# KiCad board mse-68-hd-panel.kicad_pcb (continued)
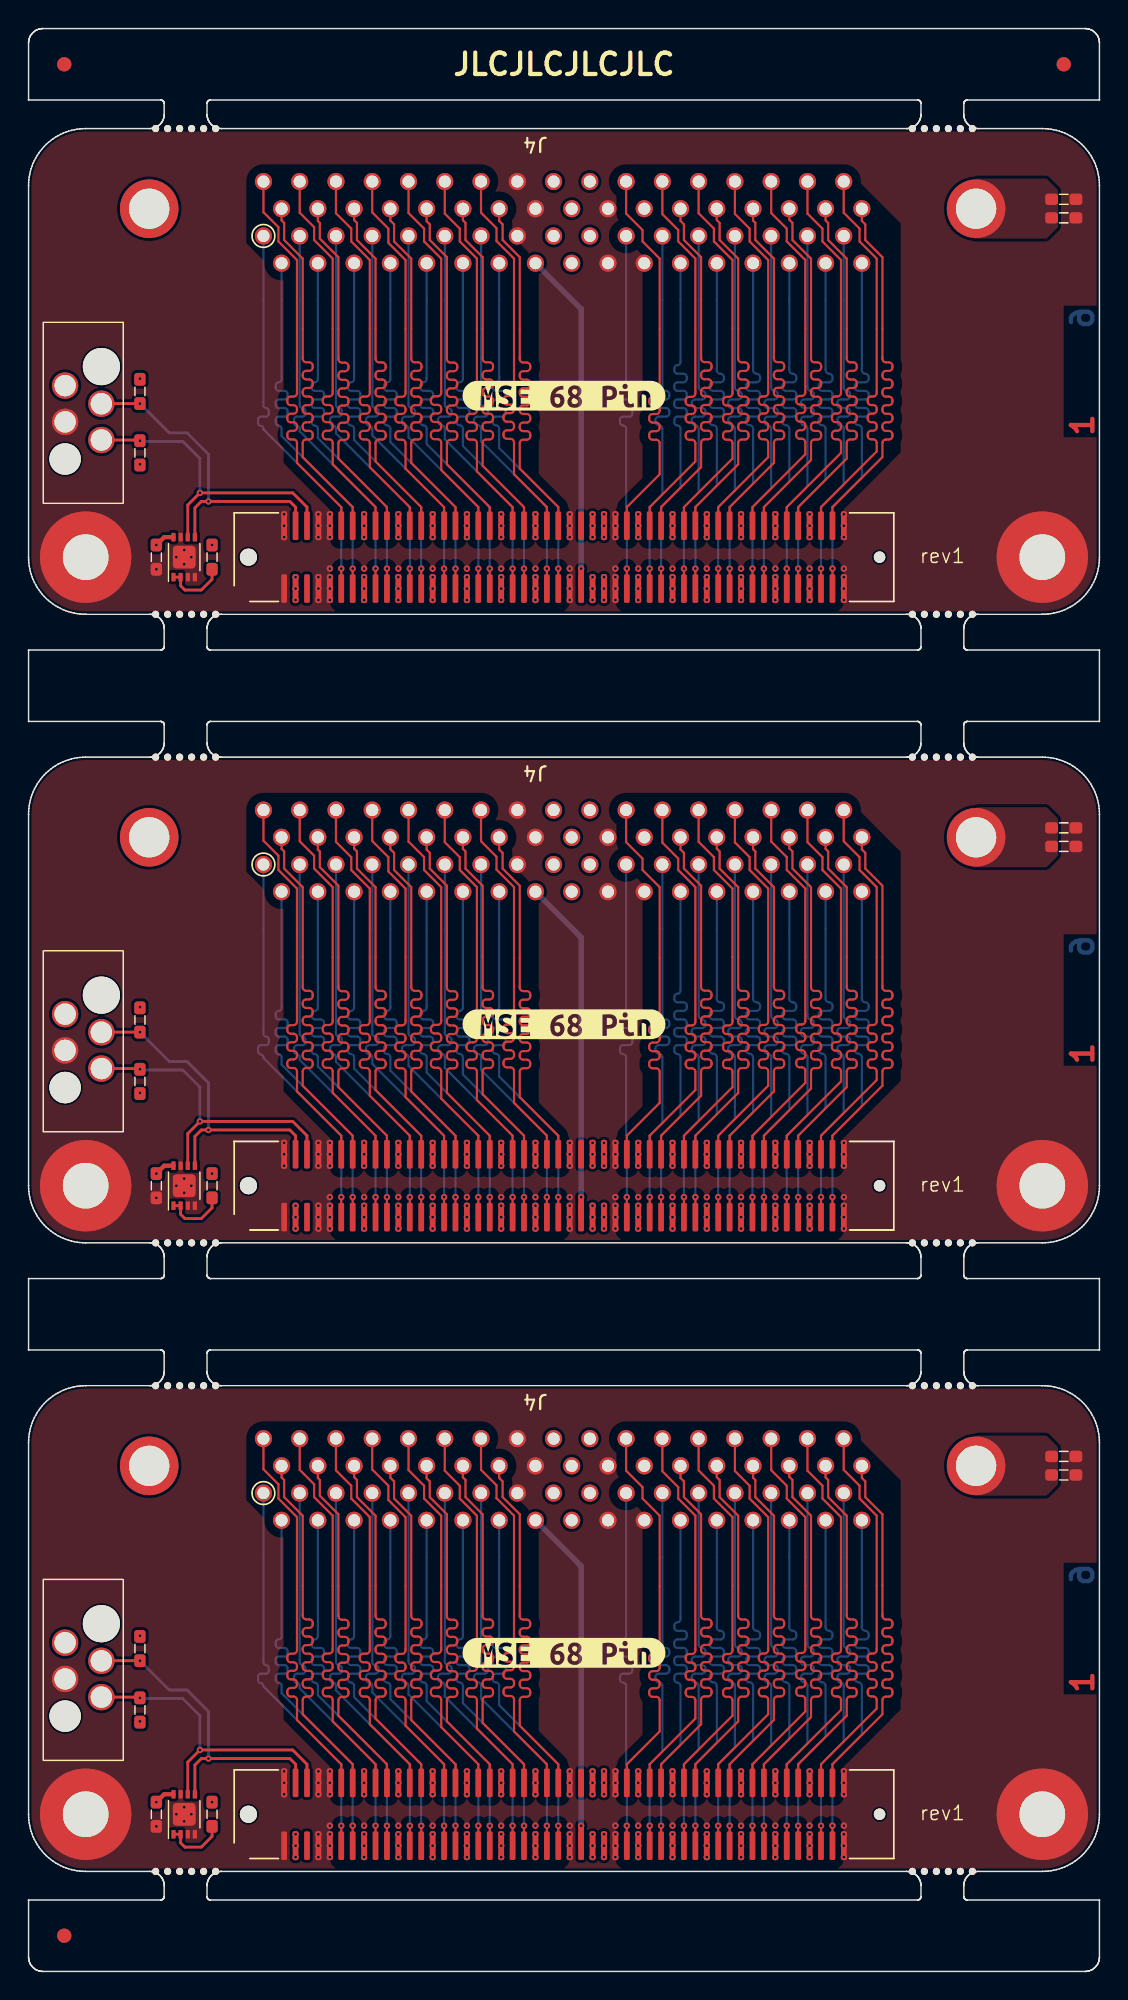
[diagram p0: board, top side]
## Routing (per net, layer and track width the routed paths; a pad name or vN(x,y) marks a point on that pad's centre or on a via; arc(x,y) is an arc through that point) (continued)
Board_2-/CON.C/D+: length 27.9
  Top w0.151: J1.79 v1(49.1,10.2)
  Bottom w0.151: J4#2.28 50.74,24.08 arc(50.81,23.91) 50.98,23.84 50.99,23.84 arc(51.16,23.77) 51.23,23.6 51.23,23.48 arc(51.16,23.31) 50.99,23.24 50.49,23.24 arc(50.32,23.17) 50.25,23 50.25,22.88 arc(50.32,22.71) 50.49,22.64 50.99,22.64 arc(51.16,22.57) 51.23,22.4 51.23,22.28 arc(51.16,22.11) 50.99,22.04 50.49,22.04 arc(50.32,21.97) 50.25,21.8 50.25,21.68 arc(50.32,21.51) 50.49,21.44 50.99,21.44 arc(51.16,21.37) 51.23,21.2 51.23,21.08 arc(51.16,20.91) 50.99,20.84 50.49,20.84 arc(50.32,20.77) 50.25,20.6 50.25,20.48 arc(50.32,20.31) 50.49,20.24 50.5,20.24 arc(50.67,20.17) 50.74,20 50.74,16.14 49.1,14.5 v1(49.1,10.2)
Board_2-/CON.C/D-: length 29.2
  Top w0.151: J1.80 49.1,14.5 52.2,17.6 52.2,19.01 arc(52.27,19.18) 52.44,19.25 52.68,19.25 arc(52.85,19.32) 52.92,19.49 52.92,19.61 arc(52.85,19.78) 52.68,19.85 52.44,19.85 arc(52.27,19.92) 52.2,20.09 52.2,20.21 arc(52.27,20.38) 52.44,20.45 52.68,20.45 arc(52.85,20.52) 52.92,20.69 52.92,20.81 arc(52.85,20.98) 52.68,21.05 52.44,21.05 arc(52.27,21.12) 52.2,21.29 52.2,21.41 arc(52.27,21.58) 52.44,21.65 52.68,21.65 arc(52.85,21.72) 52.92,21.89 52.92,22.01 arc(52.85,22.18) 52.68,22.25 52.44,22.25 arc(52.27,22.32) 52.2,22.49 52.2,22.61 arc(52.27,22.78) 52.44,22.85 52.68,22.85 arc(52.85,22.92) 52.92,23.09 52.92,23.21 arc(52.85,23.38) 52.68,23.45 52.44,23.45 arc(52.27,23.52) 52.2,23.69 52.2,23.81 arc(52.27,23.98) 52.44,24.05 52.68,24.05 arc(52.85,24.12) 52.92,24.29 52.92,24.41 arc(52.85,24.58) 52.68,24.65 52.44,24.65 arc(52.27,24.72) 52.2,24.89 52.2,31.9 50.9,33.2 50.9,34.4 50.74,34.56 J4#2.62
Board_2-/CON.DB0+: length 27.9
  Top w0.151: J1.25 v1(27.5,10.2)
  Bottom w0.151: v1(27.5,10.2) 27.5,14.5 22.8,19.2 22.8,20 arc(22.74,20.15) 22.59,20.22 arc(22.43,20.28) 22.37,20.43 22.37,20.63 arc(22.43,20.78) 22.59,20.84 23.02,20.84 arc(23.17,20.91) 23.24,21.06 23.24,21.22 arc(23.17,21.38) 23.02,21.44 22.58,21.44 arc(22.43,21.51) 22.36,21.66 22.36,21.82 arc(22.43,21.98) 22.58,22.04 23.02,22.04 arc(23.17,22.11) 23.24,22.26 23.24,22.42 arc(23.17,22.58) 23.02,22.64 22.59,22.64 arc(22.43,22.7) 22.37,22.86 22.37,23.03 arc(22.43,23.18) 22.59,23.24 arc(22.74,23.3) 22.8,23.46 J4#2.6
Board_2-/CON.DB0-: length 29.2
  Top w0.151: J1.26 27.5,14.5 24.3,17.7 24.3,19 arc(24.37,19.17) 24.54,19.24 24.77,19.24 arc(24.94,19.31) 25.01,19.48 25.01,19.6 arc(24.94,19.77) 24.77,19.84 24.54,19.84 arc(24.37,19.91) 24.3,20.08 24.3,20.2 arc(24.37,20.37) 24.54,20.44 24.77,20.44 arc(24.94,20.51) 25.01,20.68 25.01,20.8 arc(24.94,20.97) 24.77,21.04 24.54,21.04 arc(24.37,21.11) 24.3,21.28 24.3,21.4 arc(24.37,21.57) 24.54,21.64 24.77,21.64 arc(24.94,21.71) 25.01,21.88 25.01,22 arc(24.94,22.17) 24.77,22.24 24.54,22.24 arc(24.37,22.31) 24.3,22.48 24.3,22.6 arc(24.37,22.77) 24.54,22.84 24.77,22.84 arc(24.94,22.91) 25.01,23.08 25.01,23.2 arc(24.94,23.37) 24.77,23.44 24.54,23.44 arc(24.37,23.51) 24.3,23.68 24.3,23.8 arc(24.37,23.97) 24.54,24.04 24.77,24.04 arc(24.94,24.11) 25.01,24.28 25.01,24.4 arc(24.94,24.57) 24.77,24.64 24.54,24.64 arc(24.37,24.71) 24.3,24.88 24.3,31.9 23,33.2 23,34.4 22.8,34.6 J4#2.40
Board_2-/CON.DB1+: length 27.9
  Top w0.151: J1.29 v1(29.1,10.2)
  Bottom w0.151: J4#2.7 24.07,21.66 arc(24.13,21.51) 24.29,21.44 arc(24.44,21.38) 24.5,21.22 24.5,21.06 arc(24.44,20.91) 24.29,20.84 23.85,20.84 arc(23.7,20.78) 23.64,20.62 23.64,20.44 arc(23.7,20.28) 23.85,20.22 arc(24.01,20.16) 24.07,20 24.07,19.53 29.1,14.5 v1(29.1,10.2)
Board_2-/CON.DB1-: length 29.2
  Top w0.151: J1.30 29.1,14.5 26.4,17.2 26.4,18.99 arc(26.33,19.16) 26.16,19.23 25.93,19.23 arc(25.76,19.3) 25.69,19.47 25.69,19.59 arc(25.76,19.76) 25.93,19.83 26.16,19.83 arc(26.33,19.9) 26.4,20.07 26.4,20.19 arc(26.33,20.36) 26.16,20.43 25.93,20.43 arc(25.76,20.5) 25.69,20.67 25.69,20.79 arc(25.76,20.96) 25.93,21.03 26.16,21.03 arc(26.33,21.1) 26.4,21.27 26.4,21.39 arc(26.33,21.56) 26.16,21.63 25.93,21.63 arc(25.76,21.7) 25.69,21.87 25.69,21.99 arc(25.76,22.16) 25.93,22.23 26.16,22.23 arc(26.33,22.3) 26.4,22.47 26.4,31.8 25.2,33 25.2,34 24.07,35.13 J4#2.41
Board_2-/CON.DB2+: length 27.9
  Top w0.151: J1.31 v1(29.9,10.2)
  Bottom w0.151: v1(29.9,10.2) 29.9,14.5 25.34,19.06 25.34,20 arc(25.28,20.16) 25.12,20.22 arc(24.97,20.29) 24.9,20.44 24.9,20.62 arc(24.97,20.78) 25.12,20.84 25.56,20.84 arc(25.72,20.91) 25.78,21.06 25.78,21.22 arc(25.72,21.38) 25.56,21.44 25.12,21.44 arc(24.96,21.51) 24.9,21.66 24.9,21.82 arc(24.96,21.98) 25.12,22.04 25.56,22.04 arc(25.72,22.11) 25.78,22.26 25.78,22.42 arc(25.72,22.58) 25.56,22.64 25.12,22.64 arc(24.97,22.71) 24.9,22.86 24.9,23.02 arc(24.97,23.18) 25.12,23.24 arc(25.28,23.31) 25.34,23.46 J4#2.8
Board_2-/CON.DB2-: length 29.2
  Top w0.151: J4#2.42 25.34,34.56 25.6,34.3 25.6,33.1 26.8,31.9 26.8,24.88 arc(26.87,24.71) 27.04,24.64 27.28,24.64 arc(27.45,24.57) 27.52,24.4 27.52,24.28 arc(27.45,24.11) 27.28,24.04 27.04,24.04 arc(26.87,23.97) 26.8,23.8 26.8,23.68 arc(26.87,23.51) 27.04,23.44 27.28,23.44 arc(27.45,23.37) 27.52,23.2 27.52,23.08 arc(27.45,22.91) 27.28,22.84 27.04,22.84 arc(26.87,22.77) 26.8,22.6 26.8,22.48 arc(26.87,22.31) 27.04,22.24 27.28,22.24 arc(27.45,22.17) 27.52,22 27.52,21.88 arc(27.45,21.71) 27.28,21.64 27.04,21.64 arc(26.87,21.57) 26.8,21.4 26.8,21.28 arc(26.87,21.11) 27.04,21.04 27.28,21.04 arc(27.45,20.97) 27.52,20.8 27.52,20.68 arc(27.45,20.51) 27.28,20.44 27.04,20.44 arc(26.87,20.37) 26.8,20.2 26.8,20.08 arc(26.87,19.91) 27.04,19.84 27.28,19.84 arc(27.45,19.77) 27.52,19.6 27.52,19.48 arc(27.45,19.31) 27.28,19.24 27.04,19.24 arc(26.87,19.17) 26.8,19 26.8,17.6 29.9,14.5 J1.32
Board_2-/CON.DB3+: length 27.9
  Top w0.151: J1.35 v1(31.5,10.2)
  Bottom w0.151: v1(31.5,10.2) 31.5,14.5 26.61,19.39 26.61,20 arc(26.54,20.16) 26.38,20.23 arc(26.22,20.3) 26.15,20.46 26.15,20.61 arc(26.22,20.78) 26.38,20.84 26.84,20.84 arc(27,20.91) 27.07,21.07 27.07,21.21 arc(27,21.38) 26.84,21.44 arc(26.68,21.51) 26.61,21.67 J4#2.9
Board_2-/CON.DB3-: length 29.2
  Top w0.151: J1.36 31.5,14.5 28.9,17.1 28.9,19.02 arc(28.83,19.19) 28.66,19.26 28.42,19.26 arc(28.25,19.33) 28.18,19.5 28.18,19.62 arc(28.25,19.79) 28.42,19.86 28.66,19.86 arc(28.83,19.93) 28.9,20.1 28.9,20.22 arc(28.83,20.39) 28.66,20.46 28.42,20.46 arc(28.25,20.53) 28.18,20.7 28.18,20.82 arc(28.25,20.99) 28.42,21.06 28.66,21.06 arc(28.83,21.13) 28.9,21.3 28.9,21.42 arc(28.83,21.59) 28.66,21.66 28.42,21.66 arc(28.25,21.73) 28.18,21.9 28.18,22.02 arc(28.25,22.19) 28.42,22.26 28.66,22.26 arc(28.83,22.33) 28.9,22.5 28.9,31.9 27.7,33.1 27.7,34 26.61,35.09 J4#2.43
Board_2-/CON.DB4+: length 27.9
  Top w0.151: J1.37 v1(32.3,10.2)
  Bottom w0.151: v1(32.3,10.2) 32.3,14.5 27.88,18.92 27.88,20 arc(27.81,20.16) 27.66,20.23 arc(27.5,20.29) 27.43,20.45 27.43,20.62 arc(27.5,20.78) 27.66,20.84 28.11,20.84 arc(28.27,20.91) 28.33,21.07 28.33,21.22 arc(28.27,21.38) 28.11,21.44 27.65,21.44 arc(27.49,21.51) 27.43,21.67 27.43,21.82 arc(27.49,21.98) 27.65,22.04 28.11,22.04 arc(28.27,22.11) 28.33,22.27 28.33,22.42 arc(28.27,22.58) 28.11,22.64 27.66,22.64 arc(27.5,22.71) 27.43,22.87 27.43,23.02 arc(27.5,23.18) 27.66,23.24 arc(27.81,23.31) 27.88,23.47 J4#2.10
Board_2-/CON.DB4-: length 29.2
  Top w0.151: J4#2.44 27.88,34.52 28.1,34.3 28.1,33.2 29.3,32 29.3,24.86 arc(29.37,24.69) 29.54,24.62 29.78,24.62 arc(29.95,24.55) 30.02,24.38 30.02,24.26 arc(29.95,24.09) 29.78,24.02 29.54,24.02 arc(29.37,23.95) 29.3,23.78 29.3,23.66 arc(29.37,23.49) 29.54,23.42 29.78,23.42 arc(29.95,23.35) 30.02,23.18 30.02,23.06 arc(29.95,22.89) 29.78,22.82 29.54,22.82 arc(29.37,22.75) 29.3,22.58 29.3,22.46 arc(29.37,22.29) 29.54,22.22 29.78,22.22 arc(29.95,22.15) 30.02,21.98 30.02,21.86 arc(29.95,21.69) 29.78,21.62 29.54,21.62 arc(29.37,21.55) 29.3,21.38 29.3,21.26 arc(29.37,21.09) 29.54,21.02 29.78,21.02 arc(29.95,20.95) 30.02,20.78 30.02,20.66 arc(29.95,20.49) 29.78,20.42 29.54,20.42 arc(29.37,20.35) 29.3,20.18 29.3,20.06 arc(29.37,19.89) 29.54,19.82 29.78,19.82 arc(29.95,19.75) 30.02,19.58 30.02,19.46 arc(29.95,19.29) 29.78,19.22 29.54,19.22 arc(29.37,19.15) 29.3,18.98 29.3,17.5 32.3,14.5 J1.38
Board_2-/CON.DB5+: length 27.9
  Top w0.151: J1.41 v1(33.9,10.2)
  Bottom w0.151: J4#2.11 29.15,21.68 arc(29.22,21.51) 29.39,21.44 arc(29.56,21.37) 29.63,21.2 29.63,21.08 arc(29.56,20.91) 29.39,20.84 28.91,20.84 arc(28.74,20.77) 28.67,20.6 28.67,20.48 arc(28.74,20.31) 28.91,20.24 arc(29.08,20.17) 29.15,20 29.15,19.25 33.9,14.5 v1(33.9,10.2)
Board_2-/CON.DB5-: length 29.2
  Top w0.151: J1.42 33.9,14.5 31.4,17 31.4,18.99 arc(31.33,19.16) 31.16,19.23 30.91,19.23 arc(30.74,19.3) 30.67,19.47 30.67,19.59 arc(30.74,19.76) 30.91,19.83 31.16,19.83 arc(31.33,19.9) 31.4,20.07 31.4,20.19 arc(31.33,20.36) 31.16,20.43 30.91,20.43 arc(30.74,20.5) 30.67,20.67 30.67,20.79 arc(30.74,20.96) 30.91,21.03 31.16,21.03 arc(31.33,21.1) 31.4,21.27 31.4,21.39 arc(31.33,21.56) 31.16,21.63 30.91,21.63 arc(30.74,21.7) 30.67,21.87 30.67,21.99 arc(30.74,22.16) 30.91,22.23 31.16,22.23 arc(31.33,22.3) 31.4,22.47 31.4,31.9 30.2,33.1 30.2,34 29.15,35.05 J4#2.45
Board_2-/CON.DB6+: length 27.9
  Top w0.151: J1.43 v1(34.7,10.2)
  Bottom w0.151: J4#2.12 30.42,23.47 arc(30.35,23.31) 30.19,23.24 arc(30.03,23.18) 29.96,23.01 29.96,22.87 arc(30.03,22.71) 30.19,22.64 30.65,22.64 arc(30.81,22.57) 30.88,22.41 30.88,22.27 arc(30.81,22.11) 30.65,22.04 30.19,22.04 arc(30.03,21.97) 29.96,21.81 29.96,21.67 arc(30.03,21.51) 30.19,21.44 30.65,21.44 arc(30.81,21.37) 30.88,21.21 30.88,21.07 arc(30.81,20.91) 30.65,20.84 30.19,20.84 arc(30.03,20.78) 29.96,20.61 29.96,20.46 arc(30.03,20.3) 30.19,20.23 arc(30.35,20.16) 30.42,20 30.42,18.78 34.7,14.5 v1(34.7,10.2)
Board_2-/CON.DB6-: length 29.2
  Top w0.151: J4#2.46 30.42,34.58 30.6,34.4 30.6,33.2 31.8,32 31.8,24.88 arc(31.87,24.71) 32.04,24.64 32.29,24.64 arc(32.46,24.57) 32.53,24.4 32.53,24.28 arc(32.46,24.11) 32.29,24.04 32.04,24.04 arc(31.87,23.97) 31.8,23.8 31.8,23.68 arc(31.87,23.51) 32.04,23.44 32.29,23.44 arc(32.46,23.37) 32.53,23.2 32.53,23.08 arc(32.46,22.91) 32.29,22.84 32.04,22.84 arc(31.87,22.77) 31.8,22.6 31.8,22.48 arc(31.87,22.31) 32.04,22.24 32.29,22.24 arc(32.46,22.17) 32.53,22 32.53,21.88 arc(32.46,21.71) 32.29,21.64 32.04,21.64 arc(31.87,21.57) 31.8,21.4 31.8,21.28 arc(31.87,21.11) 32.04,21.04 32.29,21.04 arc(32.46,20.97) 32.53,20.8 32.53,20.68 arc(32.46,20.51) 32.29,20.44 32.04,20.44 arc(31.87,20.37) 31.8,20.2 31.8,20.08 arc(31.87,19.91) 32.04,19.84 32.29,19.84 arc(32.46,19.77) 32.53,19.6 32.53,19.48 arc(32.46,19.31) 32.29,19.24 32.04,19.24 arc(31.87,19.17) 31.8,19 31.8,17.4 34.7,14.5 J1.44
Board_2-/CON.DB7+: length 27.9
  Top w0.151: J1.47 v1(36.3,10.2)
  Bottom w0.151: J4#2.13 31.69,21.68 arc(31.76,21.51) 31.93,21.44 31.94,21.44 arc(32.11,21.37) 32.18,21.2 32.18,21.08 arc(32.11,20.91) 31.94,20.84 31.44,20.84 arc(31.27,20.77) 31.2,20.6 31.2,20.48 arc(31.27,20.31) 31.44,20.24 31.45,20.24 arc(31.62,20.17) 31.69,20 31.69,19.11 36.3,14.5 v1(36.3,10.2)
Board_2-/CON.DB7-: length 29.2
  Top w0.151: J1.48 36.3,14.5 34,16.8 34,19.04 arc(33.93,19.21) 33.76,19.28 33.5,19.28 arc(33.33,19.35) 33.26,19.52 33.26,19.64 arc(33.33,19.81) 33.5,19.88 33.76,19.88 arc(33.93,19.95) 34,20.12 34,20.24 arc(33.93,20.41) 33.76,20.48 33.5,20.48 arc(33.33,20.55) 33.26,20.72 33.26,20.84 arc(33.33,21.01) 33.5,21.08 33.76,21.08 arc(33.93,21.15) 34,21.32 34,21.44 arc(33.93,21.61) 33.76,21.68 33.5,21.68 arc(33.33,21.75) 33.26,21.92 33.26,22.04 arc(33.33,22.21) 33.5,22.28 33.76,22.28 arc(33.93,22.35) 34,22.52 34,31.9 32.77,33.13 32.77,34.03 31.69,35.11 J4#2.47
Board_2-/CON.DB8+: length 27.9
  Top w0.151: J1.89 v1(53.1,10.2)
  Bottom w0.151: J4#2.31 54.55,22.87 arc(54.62,22.71) 54.78,22.64 arc(54.94,22.58) 55,22.42 55,22.27 arc(54.94,22.11) 54.78,22.04 54.32,22.04 arc(54.16,21.98) 54.09,21.81 54.09,21.67 arc(54.16,21.51) 54.32,21.44 54.78,21.44 arc(54.94,21.38) 55.01,21.21 55.01,21.07 arc(54.94,20.91) 54.78,20.84 54.32,20.84 arc(54.16,20.78) 54.1,20.62 54.1,20.45 arc(54.16,20.29) 54.32,20.23 arc(54.48,20.16) 54.55,20 54.55,15.95 53.1,14.5 v1(53.1,10.2)
Board_2-/CON.DB8-: length 29.2
  Top w0.151: J4#2.65 54.55,35.05 55.6,34 55.6,33.1 56.9,31.8 56.9,22.49 arc(56.83,22.32) 56.66,22.25 56.51,22.25 arc(56.34,22.18) 56.27,22.01 56.27,21.89 arc(56.34,21.72) 56.51,21.65 56.66,21.65 arc(56.83,21.58) 56.9,21.41 56.9,21.29 arc(56.83,21.12) 56.66,21.05 56.51,21.05 arc(56.34,20.98) 56.27,20.81 56.27,20.69 arc(56.34,20.52) 56.51,20.45 56.66,20.45 arc(56.83,20.38) 56.9,20.21 56.9,20.09 arc(56.83,19.92) 56.66,19.85 56.51,19.85 arc(56.34,19.78) 56.27,19.61 56.27,19.49 arc(56.34,19.32) 56.51,19.25 56.66,19.25 arc(56.83,19.18) 56.9,19.01 56.9,18.3 53.1,14.5 J1.90
Board_2-/CON.DB9+: length 27.9
  Top w0.151: J1.91 v1(53.9,10.2)
  Bottom w0.151: J4#2.32 55.82,24.08 arc(55.89,23.91) 56.06,23.84 56.06,23.84 arc(56.23,23.77) 56.3,23.6 56.3,23.48 arc(56.23,23.31) 56.06,23.24 55.58,23.24 arc(55.41,23.17) 55.34,23 55.34,22.88 arc(55.41,22.71) 55.58,22.64 56.06,22.64 arc(56.23,22.57) 56.3,22.4 56.3,22.28 arc(56.23,22.11) 56.06,22.04 55.58,22.04 arc(55.41,21.97) 55.34,21.8 55.34,21.68 arc(55.41,21.51) 55.58,21.44 56.06,21.44 arc(56.23,21.37) 56.3,21.2 56.3,21.08 arc(56.23,20.91) 56.06,20.84 55.58,20.84 arc(55.41,20.77) 55.34,20.6 55.34,20.48 arc(55.41,20.31) 55.58,20.24 55.58,20.24 arc(55.75,20.17) 55.82,20 55.82,16.42 53.9,14.5 v1(53.9,10.2)
Board_2-/CON.DB9-: length 29.2
  Top w0.151: J4#2.66 55.82,34.58 56,34.4 56,33.2 57.3,31.9 57.3,24.88 arc(57.37,24.71) 57.54,24.64 57.77,24.64 arc(57.94,24.57) 58.01,24.4 58.01,24.28 arc(57.94,24.11) 57.77,24.04 57.54,24.04 arc(57.37,23.97) 57.3,23.8 57.3,23.68 arc(57.37,23.51) 57.54,23.44 57.77,23.44 arc(57.94,23.37) 58.01,23.2 58.01,23.08 arc(57.94,22.91) 57.77,22.84 57.54,22.84 arc(57.37,22.77) 57.3,22.6 57.3,22.48 arc(57.37,22.31) 57.54,22.24 57.77,22.24 arc(57.94,22.17) 58.01,22 58.01,21.88 arc(57.94,21.71) 57.77,21.64 57.54,21.64 arc(57.37,21.57) 57.3,21.4 57.3,21.28 arc(57.37,21.11) 57.54,21.04 57.77,21.04 arc(57.94,20.97) 58.01,20.8 58.01,20.68 arc(57.94,20.51) 57.77,20.44 57.54,20.44 arc(57.37,20.37) 57.3,20.2 57.3,20.08 arc(57.37,19.91) 57.54,19.84 57.77,19.84 arc(57.94,19.77) 58.01,19.6 58.01,19.48 arc(57.94,19.31) 57.77,19.24 57.54,19.24 arc(57.37,19.17) 57.3,19 57.3,17.9 53.9,14.5 J1.92
Board_2-/CON.DB10+: length 27.9
  Top w0.151: J1.95 v1(55.5,10.2)
  Bottom w0.151: v1(55.5,10.2) 55.5,14.5 57.09,16.09 57.09,20 arc(57.03,20.16) 56.87,20.22 arc(56.71,20.29) 56.65,20.44 56.65,20.62 arc(56.71,20.78) 56.87,20.84 57.31,20.84 arc(57.47,20.91) 57.54,21.07 57.54,21.22 arc(57.47,21.38) 57.31,21.44 56.87,21.44 arc(56.71,21.51) 56.64,21.67 56.64,21.82 arc(56.71,21.98) 56.87,22.04 57.31,22.04 arc(57.47,22.11) 57.53,22.26 57.53,22.42 arc(57.47,22.58) 57.31,22.64 arc(57.15,22.71) 57.09,22.86 J4#2.33
Board_2-/CON.DB10-: length 29.2
  Top w0.151: J1.96 55.5,14.5 59.4,18.4 59.4,19.01 arc(59.33,19.18) 59.16,19.25 59.01,19.25 arc(58.84,19.32) 58.77,19.49 58.77,19.61 arc(58.84,19.78) 59.01,19.85 59.16,19.85 arc(59.33,19.92) 59.4,20.09 59.4,20.21 arc(59.33,20.38) 59.16,20.45 59.01,20.45 arc(58.84,20.52) 58.77,20.69 58.77,20.81 arc(58.84,20.98) 59.01,21.05 59.16,21.05 arc(59.33,21.12) 59.4,21.29 59.4,21.41 arc(59.33,21.58) 59.16,21.65 59.01,21.65 arc(58.84,21.72) 58.77,21.89 58.77,22.01 arc(58.84,22.18) 59.01,22.25 59.16,22.25 arc(59.33,22.32) 59.4,22.49 59.4,31.9 58.2,33.1 58.2,34 57.09,35.11 J4#2.67
Board_2-/CON.DB11+: length 27.9
  Top w0.151: J1.97 v1(56.3,10.2)
  Bottom w0.151: v1(56.3,10.2) 56.3,14.5 58.36,16.56 58.36,20 arc(58.29,20.17) 58.12,20.24 arc(57.95,20.31) 57.88,20.48 57.88,20.6 arc(57.95,20.77) 58.12,20.84 58.6,20.84 arc(58.77,20.91) 58.84,21.08 58.84,21.2 arc(58.77,21.37) 58.6,21.44 58.12,21.44 arc(57.95,21.51) 57.88,21.68 57.88,21.8 arc(57.95,21.97) 58.12,22.04 58.6,22.04 arc(58.77,22.11) 58.84,22.28 58.84,22.4 arc(58.77,22.57) 58.6,22.64 58.12,22.64 arc(57.95,22.71) 57.88,22.88 57.88,23 arc(57.95,23.17) 58.12,23.24 58.6,23.24 arc(58.77,23.31) 58.84,23.48 58.84,23.6 arc(58.77,23.77) 58.6,23.84 arc(58.43,23.91) 58.36,24.08 J4#2.34
Board_2-/CON.DB11-: length 29.2
  Top w0.151: J4#2.68 58.36,34.54 58.6,34.3 58.6,33.2 59.8,32 59.8,24.88 arc(59.87,24.71) 60.04,24.64 60.26,24.64 arc(60.43,24.57) 60.5,24.4 60.5,24.28 arc(60.43,24.11) 60.26,24.04 60.04,24.04 arc(59.87,23.97) 59.8,23.8 59.8,23.68 arc(59.87,23.51) 60.04,23.44 60.26,23.44 arc(60.43,23.37) 60.5,23.2 60.5,23.08 arc(60.43,22.91) 60.26,22.84 60.04,22.84 arc(59.87,22.77) 59.8,22.6 59.8,22.48 arc(59.87,22.31) 60.04,22.24 60.26,22.24 arc(60.43,22.17) 60.5,22 60.5,21.88 arc(60.43,21.71) 60.26,21.64 60.04,21.64 arc(59.87,21.57) 59.8,21.4 59.8,21.28 arc(59.87,21.11) 60.04,21.04 60.26,21.04 arc(60.43,20.97) 60.5,20.8 60.5,20.68 arc(60.43,20.51) 60.26,20.44 60.04,20.44 arc(59.87,20.37) 59.8,20.2 59.8,20.08 arc(59.87,19.91) 60.04,19.84 60.26,19.84 arc(60.43,19.77) 60.5,19.6 60.5,19.48 arc(60.43,19.31) 60.26,19.24 60.04,19.24 arc(59.87,19.17) 59.8,19 59.8,18 56.3,14.5 J1.98
Board_2-/CON.DB12+: length 27.9
  Top w0.151: J1.11 v1(21.9,10.2)
  Bottom w0.151: v1(21.9,10.2) 21.9,14.5 16.45,19.95 16.45,20 arc(16.4,20.13) 16.26,20.19 arc(16.13,20.24) 16.08,20.37 16.08,20.66 arc(16.13,20.79) 16.26,20.84 16.64,20.84 arc(16.77,20.9) 16.82,21.03 16.82,21.26 arc(16.77,21.39) 16.64,21.44 arc(16.5,21.5) 16.45,21.63 J4#2.1
Board_2-/CON.DB12-: length 29.2
  Top w0.151: J4#2.35 16.45,35.15 17.5,34.1 17.5,33.1 18.8,31.8 18.8,22.48 arc(18.73,22.31) 18.56,22.24 18.36,22.24 arc(18.19,22.17) 18.12,22 18.12,21.88 arc(18.19,21.71) 18.36,21.64 18.56,21.64 arc(18.73,21.57) 18.8,21.4 18.8,21.28 arc(18.73,21.11) 18.56,21.04 18.36,21.04 arc(18.19,20.97) 18.12,20.8 18.12,20.68 arc(18.19,20.51) 18.36,20.44 18.56,20.44 arc(18.73,20.37) 18.8,20.2 18.8,20.08 arc(18.73,19.91) 18.56,19.84 18.36,19.84 arc(18.19,19.77) 18.12,19.6 18.12,19.48 arc(18.19,19.31) 18.36,19.24 18.56,19.24 arc(18.73,19.17) 18.8,19 18.8,17.6 21.9,14.5 J1.12
Board_2-/CON.DB13+: length 27.9
  Top w0.151: J1.13 v1(22.7,10.2)
  Bottom w0.151: v1(22.7,10.2) 22.7,14.5 17.72,19.48 17.72,20 arc(17.66,20.15) 17.51,20.21 arc(17.37,20.27) 17.31,20.41 17.31,20.64 arc(17.37,20.78) 17.51,20.84 17.93,20.84 arc(18.08,20.9) 18.14,21.05 18.14,21.23 arc(18.08,21.38) 17.93,21.44 17.51,21.44 arc(17.36,21.5) 17.3,21.65 17.3,21.83 arc(17.36,21.98) 17.51,22.04 17.93,22.04 arc(18.08,22.1) 18.14,22.25 18.14,22.43 arc(18.08,22.58) 17.93,22.64 17.51,22.64 arc(17.37,22.7) 17.31,22.85 17.31,23.04 arc(17.37,23.18) 17.51,23.24 arc(17.66,23.3) 17.72,23.45 J4#2.2
Board_2-/CON.DB13-: length 29.2
  Top w0.151: J1.14 22.7,14.5 19.2,18 19.2,19 arc(19.27,19.17) 19.44,19.24 19.66,19.24 arc(19.83,19.31) 19.9,19.48 19.9,19.6 arc(19.83,19.77) 19.66,19.84 19.44,19.84 arc(19.27,19.91) 19.2,20.08 19.2,20.2 arc(19.27,20.37) 19.44,20.44 19.66,20.44 arc(19.83,20.51) 19.9,20.68 19.9,20.8 arc(19.83,20.97) 19.66,21.04 19.44,21.04 arc(19.27,21.11) 19.2,21.28 19.2,21.4 arc(19.27,21.57) 19.44,21.64 19.66,21.64 arc(19.83,21.71) 19.9,21.88 19.9,22 arc(19.83,22.17) 19.66,22.24 19.44,22.24 arc(19.27,22.31) 19.2,22.48 19.2,22.6 arc(19.27,22.77) 19.44,22.84 19.66,22.84 arc(19.83,22.91) 19.9,23.08 19.9,23.2 arc(19.83,23.37) 19.66,23.44 19.44,23.44 arc(19.27,23.51) 19.2,23.68 19.2,23.8 arc(19.27,23.97) 19.44,24.04 19.66,24.04 arc(19.83,24.11) 19.9,24.28 19.9,24.4 arc(19.83,24.57) 19.66,24.64 19.44,24.64 arc(19.27,24.71) 19.2,24.88 19.2,31.9 17.9,33.2 17.9,34.4 17.72,34.58 J4#2.36
Board_2-/CON.DB14+: length 27.9
  Top w0.151: J1.17 v1(24.3,10.2)
  Bottom w0.151: J4#2.3 18.99,21.64 arc(19.05,21.5) 19.19,21.44 arc(19.32,21.38) 19.38,21.25 19.38,21.04 arc(19.32,20.9) 19.19,20.84 18.79,20.84 arc(18.66,20.78) 18.6,20.65 18.6,20.39 arc(18.66,20.26) 18.79,20.2 arc(18.93,20.14) 18.99,20 18.99,19.81 24.3,14.5 v1(24.3,10.2)
Board_2-/CON.DB14-: length 29.2
  Top w0.151: J4#2.37 18.99,35.11 20,34.1 20,33.2 21.3,31.9 21.3,22.49 arc(21.23,22.32) 21.06,22.25 20.85,22.25 arc(20.68,22.18) 20.61,22.01 20.61,21.89 arc(20.68,21.72) 20.85,21.65 21.06,21.65 arc(21.23,21.58) 21.3,21.41 21.3,21.29 arc(21.23,21.12) 21.06,21.05 20.85,21.05 arc(20.68,20.98) 20.61,20.81 20.61,20.69 arc(20.68,20.52) 20.85,20.45 21.06,20.45 arc(21.23,20.38) 21.3,20.21 21.3,20.09 arc(21.23,19.92) 21.06,19.85 20.85,19.85 arc(20.68,19.78) 20.61,19.61 20.61,19.49 arc(20.68,19.32) 20.85,19.25 21.06,19.25 arc(21.23,19.18) 21.3,19.01 21.3,17.5 24.3,14.5 J1.18
Board_2-/CON.DB15+: length 27.9
  Top w0.151: J1.19 v1(25.1,10.2)
  Bottom w0.151: J4#2.4 20.26,23.45 arc(20.2,23.3) 20.05,23.24 arc(19.9,23.18) 19.84,23.03 19.84,22.85 arc(19.9,22.7) 20.05,22.64 20.47,22.64 arc(20.63,22.58) 20.69,22.43 20.69,22.26 arc(20.63,22.1) 20.47,22.04 20.05,22.04 arc(19.89,21.98) 19.83,21.83 19.83,21.66 arc(19.89,21.5) 20.05,21.44 20.47,21.44 arc(20.63,21.38) 20.69,21.23 20.69,21.06 arc(20.63,20.9) 20.47,20.84 20.05,20.84 arc(19.9,20.78) 19.84,20.63 19.84,20.42 arc(19.9,20.27) 20.05,20.21 arc(20.2,20.15) 20.26,20 20.26,19.34 25.1,14.5 v1(25.1,10.2)
Board_2-/CON.DB15-: length 29.2
  Top w0.151: J4#2.38 20.26,34.54 20.4,34.4 20.4,33.3 21.7,32 21.7,24.86 arc(21.77,24.69) 21.94,24.62 22.17,24.62 arc(22.34,24.55) 22.41,24.38 22.41,24.26 arc(22.34,24.09) 22.17,24.02 21.94,24.02 arc(21.77,23.95) 21.7,23.78 21.7,23.66 arc(21.77,23.49) 21.94,23.42 22.17,23.42 arc(22.34,23.35) 22.41,23.18 22.41,23.06 arc(22.34,22.89) 22.17,22.82 21.94,22.82 arc(21.77,22.75) 21.7,22.58 21.7,22.46 arc(21.77,22.29) 21.94,22.22 22.17,22.22 arc(22.34,22.15) 22.41,21.98 22.41,21.86 arc(22.34,21.69) 22.17,21.62 21.94,21.62 arc(21.77,21.55) 21.7,21.38 21.7,21.26 arc(21.77,21.09) 21.94,21.02 22.17,21.02 arc(22.34,20.95) 22.41,20.78 22.41,20.66 arc(22.34,20.49) 22.17,20.42 21.94,20.42 arc(21.77,20.35) 21.7,20.18 21.7,20.06 arc(21.77,19.89) 21.94,19.82 22.17,19.82 arc(22.34,19.75) 22.41,19.58 22.41,19.46 arc(22.34,19.29) 22.17,19.22 21.94,19.22 arc(21.77,19.15) 21.7,18.98 21.7,17.9 25.1,14.5 J1.20
Board_2-/CON.DIFFSENSE: length 24.1
  Top w0.4: J1.53 v1(38.7,10.2)
  Bottom w0.4: v1(38.7,10.2) 38.7,28.38 J4#2.16
Board_2-/CON.DP0+: length 27.9
  Top w0.151: J1.49 v1(37.1,10.2)
  Bottom w0.151: v1(37.1,10.2) 37.1,14.5 32.96,18.64 32.96,20 arc(32.89,20.17) 32.73,20.23 arc(32.56,20.3) 32.5,20.47 32.5,20.61 arc(32.56,20.77) 32.73,20.84 33.19,20.84 arc(33.36,20.91) 33.43,21.07 33.43,21.21 arc(33.36,21.37) 33.19,21.44 32.73,21.44 arc(32.56,21.51) 32.49,21.67 32.49,21.81 arc(32.56,21.97) 32.73,22.04 33.19,22.04 arc(33.36,22.11) 33.43,22.27 33.43,22.41 arc(33.36,22.57) 33.19,22.64 32.73,22.64 arc(32.56,22.71) 32.5,22.87 32.5,23.01 arc(32.56,23.17) 32.73,23.24 arc(32.89,23.31) 32.96,23.47 J4#2.14
Board_2-/CON.DP0-: length 29.2
  Top w0.151: J4#2.48 32.96,34.54 33.2,34.3 33.2,33.2 34.4,32 34.4,24.87 arc(34.47,24.7) 34.64,24.63 34.9,24.63 arc(35.07,24.56) 35.14,24.39 35.14,24.27 arc(35.07,24.1) 34.9,24.03 34.64,24.03 arc(34.47,23.96) 34.4,23.79 34.4,23.67 arc(34.47,23.5) 34.64,23.43 34.9,23.43 arc(35.07,23.36) 35.14,23.19 35.14,23.07 arc(35.07,22.9) 34.9,22.83 34.64,22.83 arc(34.47,22.76) 34.4,22.59 34.4,22.47 arc(34.47,22.3) 34.64,22.23 34.9,22.23 arc(35.07,22.16) 35.14,21.99 35.14,21.87 arc(35.07,21.7) 34.9,21.63 34.64,21.63 arc(34.47,21.56) 34.4,21.39 34.4,21.27 arc(34.47,21.1) 34.64,21.03 34.9,21.03 arc(35.07,20.96) 35.14,20.79 35.14,20.67 arc(35.07,20.5) 34.9,20.43 34.64,20.43 arc(34.47,20.36) 34.4,20.19 34.4,20.07 arc(34.47,19.9) 34.64,19.83 34.9,19.83 arc(35.07,19.76) 35.14,19.59 35.14,19.47 arc(35.07,19.3) 34.9,19.23 34.64,19.23 arc(34.47,19.16) 34.4,18.99 34.4,17.2 37.1,14.5 J1.50
Board_2-/CON.DP1+: length 27.9
  Top w0.151: J1.23 v1(26.7,10.2)
  Bottom w0.151: J4#2.5 21.53,21.65 arc(21.59,21.5) 21.74,21.44 arc(21.88,21.38) 21.94,21.24 21.94,21.05 arc(21.88,20.9) 21.74,20.84 21.32,20.84 arc(21.18,20.78) 21.12,20.64 21.12,20.42 arc(21.18,20.27) 21.32,20.21 arc(21.47,20.15) 21.53,20 21.53,19.67 26.7,14.5 v1(26.7,10.2)
Board_2-/CON.DP1-: length 29.2
  Top w0.151: J1.24 26.7,14.5 23.9,17.3 23.9,19 arc(23.83,19.17) 23.66,19.24 23.44,19.24 arc(23.27,19.31) 23.2,19.48 23.2,19.6 arc(23.27,19.77) 23.44,19.84 23.66,19.84 arc(23.83,19.91) 23.9,20.08 23.9,20.2 arc(23.83,20.37) 23.66,20.44 23.44,20.44 arc(23.27,20.51) 23.2,20.68 23.2,20.8 arc(23.27,20.97) 23.44,21.04 23.66,21.04 arc(23.83,21.11) 23.9,21.28 23.9,21.4 arc(23.83,21.57) 23.66,21.64 23.44,21.64 arc(23.27,21.71) 23.2,21.88 23.2,22 arc(23.27,22.17) 23.44,22.24 23.66,22.24 arc(23.83,22.31) 23.9,22.48 23.9,31.8 22.6,33.1 22.6,34 21.53,35.07 J4#2.39
Board_2-/CON.I/O+: length 27.9
  Top w0.151: J1.85 v1(51.5,10.2)
  Bottom w0.151: J4#2.30 53.28,24.08 arc(53.35,23.91) 53.52,23.84 53.53,23.84 arc(53.7,23.77) 53.77,23.6 53.77,23.48 arc(53.7,23.31) 53.53,23.24 53.03,23.24 arc(52.86,23.17) 52.79,23 52.79,22.88 arc(52.86,22.71) 53.03,22.64 53.53,22.64 arc(53.7,22.57) 53.77,22.4 53.77,22.28 arc(53.7,22.11) 53.53,22.04 53.03,22.04 arc(52.86,21.97) 52.79,21.8 52.79,21.68 arc(52.86,21.51) 53.03,21.44 53.53,21.44 arc(53.7,21.37) 53.77,21.2 53.77,21.08 arc(53.7,20.91) 53.53,20.84 53.03,20.84 arc(52.86,20.77) 52.79,20.6 52.79,20.48 arc(52.86,20.31) 53.03,20.24 53.04,20.24 arc(53.21,20.17) 53.28,20 53.28,16.28 51.5,14.5 v1(51.5,10.2)
Board_2-/CON.I/O-: length 29.2
  Top w0.151: J4#2.64 53.28,34.62 53.5,34.4 53.5,33.2 54.8,31.9 54.8,24.88 arc(54.87,24.71) 55.04,24.64 55.27,24.64 arc(55.44,24.57) 55.51,24.4 55.51,24.28 arc(55.44,24.11) 55.27,24.04 55.04,24.04 arc(54.87,23.97) 54.8,23.8 54.8,23.68 arc(54.87,23.51) 55.04,23.44 55.27,23.44 arc(55.44,23.37) 55.51,23.2 55.51,23.08 arc(55.44,22.91) 55.27,22.84 55.04,22.84 arc(54.87,22.77) 54.8,22.6 54.8,22.48 arc(54.87,22.31) 55.04,22.24 55.27,22.24 arc(55.44,22.17) 55.51,22 55.51,21.88 arc(55.44,21.71) 55.27,21.64 55.04,21.64 arc(54.87,21.57) 54.8,21.4 54.8,21.28 arc(54.87,21.11) 55.04,21.04 55.27,21.04 arc(55.44,20.97) 55.51,20.8 55.51,20.68 arc(55.44,20.51) 55.27,20.44 55.04,20.44 arc(54.87,20.37) 54.8,20.2 54.8,20.08 arc(54.87,19.91) 55.04,19.84 55.27,19.84 arc(55.44,19.77) 55.51,19.6 55.51,19.48 arc(55.44,19.31) 55.27,19.24 55.04,19.24 arc(54.87,19.17) 54.8,19 54.8,17.8 51.5,14.5 J1.86
Board_2-/CON.MSG+: length 27.9
  Top w0.151: J1.73 v1(46.7,10.2)
  Bottom w0.151: J4#2.26 48.2,24.08 arc(48.27,23.91) 48.44,23.84 48.46,23.84 arc(48.63,23.77) 48.7,23.6 48.7,23.48 arc(48.63,23.31) 48.46,23.24 47.94,23.24 arc(47.77,23.17) 47.7,23 47.7,22.88 arc(47.77,22.71) 47.94,22.64 48.46,22.64 arc(48.63,22.57) 48.7,22.4 48.7,22.28 arc(48.63,22.11) 48.46,22.04 47.94,22.04 arc(47.77,21.97) 47.7,21.8 47.7,21.68 arc(47.77,21.51) 47.94,21.44 48.46,21.44 arc(48.63,21.37) 48.7,21.2 48.7,21.08 arc(48.63,20.91) 48.46,20.84 47.94,20.84 arc(47.77,20.77) 47.7,20.6 47.7,20.48 arc(47.77,20.31) 47.94,20.24 47.96,20.24 arc(48.13,20.17) 48.2,20 48.2,16 46.7,14.5 v1(46.7,10.2)
Board_2-/CON.MSG-: length 29.2
  Top w0.151: J1.74 46.7,14.5 49.7,17.5 49.7,19 arc(49.77,19.17) 49.94,19.24 50.18,19.24 arc(50.35,19.31) 50.42,19.48 50.42,19.6 arc(50.35,19.77) 50.18,19.84 49.94,19.84 arc(49.77,19.91) 49.7,20.08 49.7,20.2 arc(49.77,20.37) 49.94,20.44 50.18,20.44 arc(50.35,20.51) 50.42,20.68 50.42,20.8 arc(50.35,20.97) 50.18,21.04 49.94,21.04 arc(49.77,21.11) 49.7,21.28 49.7,21.4 arc(49.77,21.57) 49.94,21.64 50.18,21.64 arc(50.35,21.71) 50.42,21.88 50.42,22 arc(50.35,22.17) 50.18,22.24 49.94,22.24 arc(49.77,22.31) 49.7,22.48 49.7,22.6 arc(49.77,22.77) 49.94,22.84 50.18,22.84 arc(50.35,22.91) 50.42,23.08 50.42,23.2 arc(50.35,23.37) 50.18,23.44 49.94,23.44 arc(49.77,23.51) 49.7,23.68 49.7,23.8 arc(49.77,23.97) 49.94,24.04 50.18,24.04 arc(50.35,24.11) 50.42,24.28 50.42,24.4 arc(50.35,24.57) 50.18,24.64 49.94,24.64 arc(49.77,24.71) 49.7,24.88 49.7,31.9 48.4,33.2 48.4,34.4 48.2,34.6 J4#2.60
Board_2-/CON.REQ+: length 27.9
  Top w0.151: J1.83 v1(50.7,10.2)
  Bottom w0.151: v1(50.7,10.2) 50.7,14.5 52.01,15.81 52.01,20 arc(51.94,20.17) 51.78,20.23 arc(51.61,20.3) 51.55,20.47 51.55,20.61 arc(51.61,20.77) 51.78,20.84 52.24,20.84 arc(52.41,20.91) 52.48,21.07 52.48,21.21 arc(52.41,21.37) 52.24,21.44 51.78,21.44 arc(51.61,21.51) 51.54,21.67 51.54,21.81 arc(51.61,21.97) 51.78,22.04 52.24,22.04 arc(52.41,22.11) 52.47,22.27 52.47,22.41 arc(52.41,22.57) 52.24,22.64 arc(52.08,22.71) 52.01,22.87 J4#2.29
Board_2-/CON.REQ-: length 29.2
  Top w0.151: J4#2.63 52.01,35.09 53.1,34 53.1,33.1 54.4,31.8 54.4,22.53 arc(54.33,22.36) 54.16,22.29 54,22.29 arc(53.83,22.22) 53.76,22.05 53.76,21.93 arc(53.83,21.76) 54,21.69 54.16,21.69 arc(54.33,21.62) 54.4,21.45 54.4,21.33 arc(54.33,21.16) 54.16,21.09 54,21.09 arc(53.83,21.02) 53.76,20.85 53.76,20.73 arc(53.83,20.56) 54,20.49 54.16,20.49 arc(54.33,20.42) 54.4,20.25 54.4,20.13 arc(54.33,19.96) 54.16,19.89 54,19.89 arc(53.83,19.82) 53.76,19.65 53.76,19.53 arc(53.83,19.36) 54,19.29 54.16,19.29 arc(54.33,19.22) 54.4,19.05 54.4,18.2 50.7,14.5 J1.84
Board_2-/CON.RST+: length 27.9
  Top w0.151: J1.71 v1(45.9,10.2)
  Bottom w0.151: v1(45.9,10.2) 45.9,14.5 46.93,15.53 46.93,20 arc(46.86,20.17) 46.69,20.24 46.69,20.24 arc(46.52,20.31) 46.45,20.48 46.45,20.6 arc(46.52,20.77) 46.69,20.84 47.17,20.84 arc(47.34,20.91) 47.41,21.08 47.41,21.2 arc(47.34,21.37) 47.17,21.44 46.69,21.44 arc(46.52,21.51) 46.45,21.68 46.45,21.8 arc(46.52,21.97) 46.69,22.04 47.17,22.04 arc(47.34,22.11) 47.41,22.28 47.41,22.4 arc(47.34,22.57) 47.17,22.64 47.17,22.64 arc(47,22.71) 46.93,22.88 J4#2.25
Board_2-/CON.RST-: length 29.2
  Top w0.151: J1.72 45.9,14.5 49.3,17.9 49.3,18.98 arc(49.23,19.15) 49.06,19.22 48.88,19.22 arc(48.71,19.29) 48.64,19.46 48.64,19.58 arc(48.71,19.75) 48.88,19.82 49.06,19.82 arc(49.23,19.89) 49.3,20.06 49.3,20.18 arc(49.23,20.35) 49.06,20.42 48.88,20.42 arc(48.71,20.49) 48.64,20.66 48.64,20.78 arc(48.71,20.95) 48.88,21.02 49.06,21.02 arc(49.23,21.09) 49.3,21.26 49.3,21.38 arc(49.23,21.55) 49.06,21.62 48.88,21.62 arc(48.71,21.69) 48.64,21.86 48.64,21.98 arc(48.71,22.15) 48.88,22.22 49.06,22.22 arc(49.23,22.29) 49.3,22.46 49.3,31.8 48,33.1 48,34 46.93,35.07 J4#2.59
Board_2-/CON.SEL+: length 27.9
  Top w0.151: J1.77 v1(48.3,10.2)
  Bottom w0.151: J4#2.27 49.47,22.88 arc(49.54,22.71) 49.71,22.64 arc(49.87,22.57) 49.94,22.4 49.94,22.28 arc(49.87,22.11) 49.71,22.04 49.23,22.04 arc(49.06,21.97) 49,21.8 49,21.68 arc(49.06,21.51) 49.23,21.44 49.71,21.44 arc(49.88,21.37) 49.94,21.2 49.94,21.08 arc(49.88,20.91) 49.71,20.84 49.23,20.84 arc(49.07,20.77) 49,20.6 49,20.48 arc(49.07,20.31) 49.23,20.24 arc(49.4,20.17) 49.47,20 49.47,15.67 48.3,14.5 v1(48.3,10.2)
Board_2-/CON.SEL-: length 29.2
  Top w0.151: J4#2.61 49.47,35.03 50.5,34 50.5,33.1 51.8,31.8 51.8,22.49 arc(51.73,22.32) 51.56,22.25 51.38,22.25 arc(51.21,22.18) 51.14,22.01 51.14,21.89 arc(51.21,21.72) 51.38,21.65 51.56,21.65 arc(51.73,21.58) 51.8,21.41 51.8,21.29 arc(51.73,21.12) 51.56,21.05 51.38,21.05 arc(51.21,20.98) 51.14,20.81 51.14,20.69 arc(51.21,20.52) 51.38,20.45 51.56,20.45 arc(51.73,20.38) 51.8,20.21 51.8,20.09 arc(51.73,19.92) 51.56,19.85 51.38,19.85 arc(51.21,19.78) 51.14,19.61 51.14,19.49 arc(51.21,19.32) 51.38,19.25 51.56,19.25 arc(51.73,19.18) 51.8,19.01 51.8,18 48.3,14.5 J1.78
Board_2-/CON.TERMPWR:
  vias: v1(39.5,14) v1(39.5,13.2) v1(39.5,12.4) v1(39.5,9.6) v1(39.5,8.8) v1(39.5,8) v1(40.3,14) v1(40.3,13.2) v1(40.3,12.4) v1(40.3,9.6) v1(40.3,8.8) v1(40.3,8)
Board_2-/PHY.ID_SCL: length 22.5
  Top w0.2: U1#2.6 11.15,14.65 v1(12,15.5) 18.5,15.5 19.5,14.5 J1.6 ; J3#2.4 7.4,19.2 7.45,19.15 v1(7.8,19.15)
  Bottom w0.2: v1(7.8,19.15) 7.85,19.1 10.8,19.1 12,17.9 v1(12,15.5)
Board_2-/PHY.ID_SDA: length 23
  Top w0.2: U1#2.5 11.65,14.45 12.1,14.9 18.3,14.9 18.7,14.5 J1.4 ; J3#2.2 5.11,21.75 v1(7.8,21.75)
  Bottom w0.2: v1(7.8,21.75) 9.85,19.7 11.1,19.7 12.6,18.2 v1(12.6,14.9)
Board_2-GND:
  vias: v1(8.95,10.15) v1(10.35,11) v1(10.9,11.5) v1(10.9,10.5) v1(11.4,11) v1(17.9,14) v1(17.9,13.2) v1(17.9,12.4) v1(20.3,14) v1(20.3,13.2) v1(20.3,12.4) v1(20.3,9.6) v1(20.3,8.8) v1(20.3,8) v1(21.1,14) v1(21.1,13.2) v1(21.1,12.4) v1(21.1,10.2) v1(21.1,9.6) v1(21.1,8.8) v1(21.1,8) v1(23.5,14) v1(23.5,13.2) v1(23.5,12.4) v1(23.5,10.2) v1(23.5,9.6) v1(23.5,8.8) v1(23.5,8) v1(25.9,14) v1(25.9,13.2) v1(25.9,12.4) v1(25.9,10.2) v1(25.9,9.6) v1(25.9,8.8) v1(25.9,8) v1(28.3,14) v1(28.3,13.2) v1(28.3,12.4) v1(28.3,10.2) v1(28.3,9.6) v1(28.3,8.8) v1(28.3,8) v1(30.7,14) v1(30.7,13.2) v1(30.7,12.4) v1(30.7,10.2) v1(30.7,9.6) v1(30.7,8.8) v1(30.7,8) v1(33.1,14) v1(33.1,13.2) v1(33.1,12.4) v1(33.1,10.2) v1(33.1,9.6) v1(33.1,8.8) v1(33.1,8) v1(35.5,14) v1(35.5,13.2) v1(35.5,12.4) v1(35.5,10.2) v1(35.5,9.6) v1(35.5,8.8) v1(35.5,8) v1(37.9,14) v1(37.9,13.2) v1(37.9,12.4) v1(37.9,10.2) v1(37.9,9.6) v1(37.9,8.8) v1(37.9,8) v1(41.1,14) v1(41.1,13.2) v1(41.1,12.4) v1(41.1,10.2) v1(41.1,9.6) v1(41.1,8.8) v1(41.1,8) v1(42.7,14) v1(42.7,13.2) v1(42.7,12.4) v1(42.7,10.2) v1(42.7,9.6) v1(42.7,8.8) v1(42.7,8) v1(45.1,14) v1(45.1,13.2) v1(45.1,12.4) v1(45.1,10.2) v1(45.1,9.6) v1(45.1,8.8) v1(45.1,8) v1(47.5,14) v1(47.5,13.2) v1(47.5,12.4) v1(47.5,10.2) v1(47.5,9.6) v1(47.5,8.8) v1(47.5,8) v1(49.9,14) v1(49.9,13.2) v1(49.9,12.4) v1(49.9,10.2) v1(49.9,9.6) v1(49.9,8.8) v1(49.9,8) v1(52.3,14) v1(52.3,13.2) v1(52.3,12.4) v1(52.3,10.2) v1(52.3,9.6) v1(52.3,8.8) v1(52.3,8) v1(54.7,14) v1(54.7,13.2) v1(54.7,12.4) v1(54.7,10.2) v1(54.7,9.6) v1(54.7,8.8) v1(54.7,8) v1(57.1,14) v1(57.1,13.2) v1(57.1,12.4) v1(57.1,10.2) v1(57.1,9.6) v1(57.1,8.8) v1(57.1,8)
Board_2-Net-(U1-E0): length 4.4
  Top w0.2: R1#2.1 12.85,9.45 12.1,8.7 10.95,8.7 10.65,9 U1#2.2 U1#2.1

## Copper pours and planes (outline as drawn; the poured copper is in the pictures)
Board_0-+3V3 on In2.Cu: 19,95.7 4,95.7 0.7,99 0.7,112.2 9,112.2 9,102 14.8,102 19,97.8
Board_0-/CON.TERMPWR on In2.Cu: 0,129 75,129 75,95 0,95
Board_0-/SHIELD on Top: 72.1,122.1 72.1,124.7 71.3,125.5 66.4,125.5 64.3,123.4 66.2,121.3 71.3,121.3
Board_0-GND on Top, Bottom, In1.Cu, In3.Cu, In4.Cu: 75,95 0,95 0,129 75,129
Board_1-+3V3 on In2.Cu: 19,51.7 4,51.7 0.7,55 0.7,68.2 9,68.2 9,58 14.8,58 19,53.8
Board_1-/CON.TERMPWR on In2.Cu: 0,85 75,85 75,51 0,51
Board_1-/SHIELD on Top: 72.1,78.1 72.1,80.7 71.3,81.5 66.4,81.5 64.3,79.4 66.2,77.3 71.3,77.3
Board_1-GND on Top, Bottom, In1.Cu, In3.Cu, In4.Cu: 75,51 0,51 0,85 75,85
Board_2-+3V3 on In2.Cu: 19,7.7 4,7.7 0.7,11 0.7,24.2 9,24.2 9,14 14.8,14 19,9.8
Board_2-/CON.TERMPWR on In2.Cu: 0,41 75,41 75,7 0,7
Board_2-/SHIELD on Top: 72.1,34.1 72.1,36.7 71.3,37.5 66.4,37.5 64.3,35.4 66.2,33.3 71.3,33.3
Board_2-GND on Top, Bottom, In1.Cu, In3.Cu, In4.Cu: 75,7 0,7 0,41 75,41

## Text on the board
Bottom: 6
Top: 1
F.Silkscreen: rev1 | JLCJLCJLCJLC
In1.Cu: 2
In2.Cu: 3
In3.Cu: 4
In4.Cu: 5
